# Altium PCB Carte_Mere - Copie.PcbDoc (part 2 of 4) (continued)
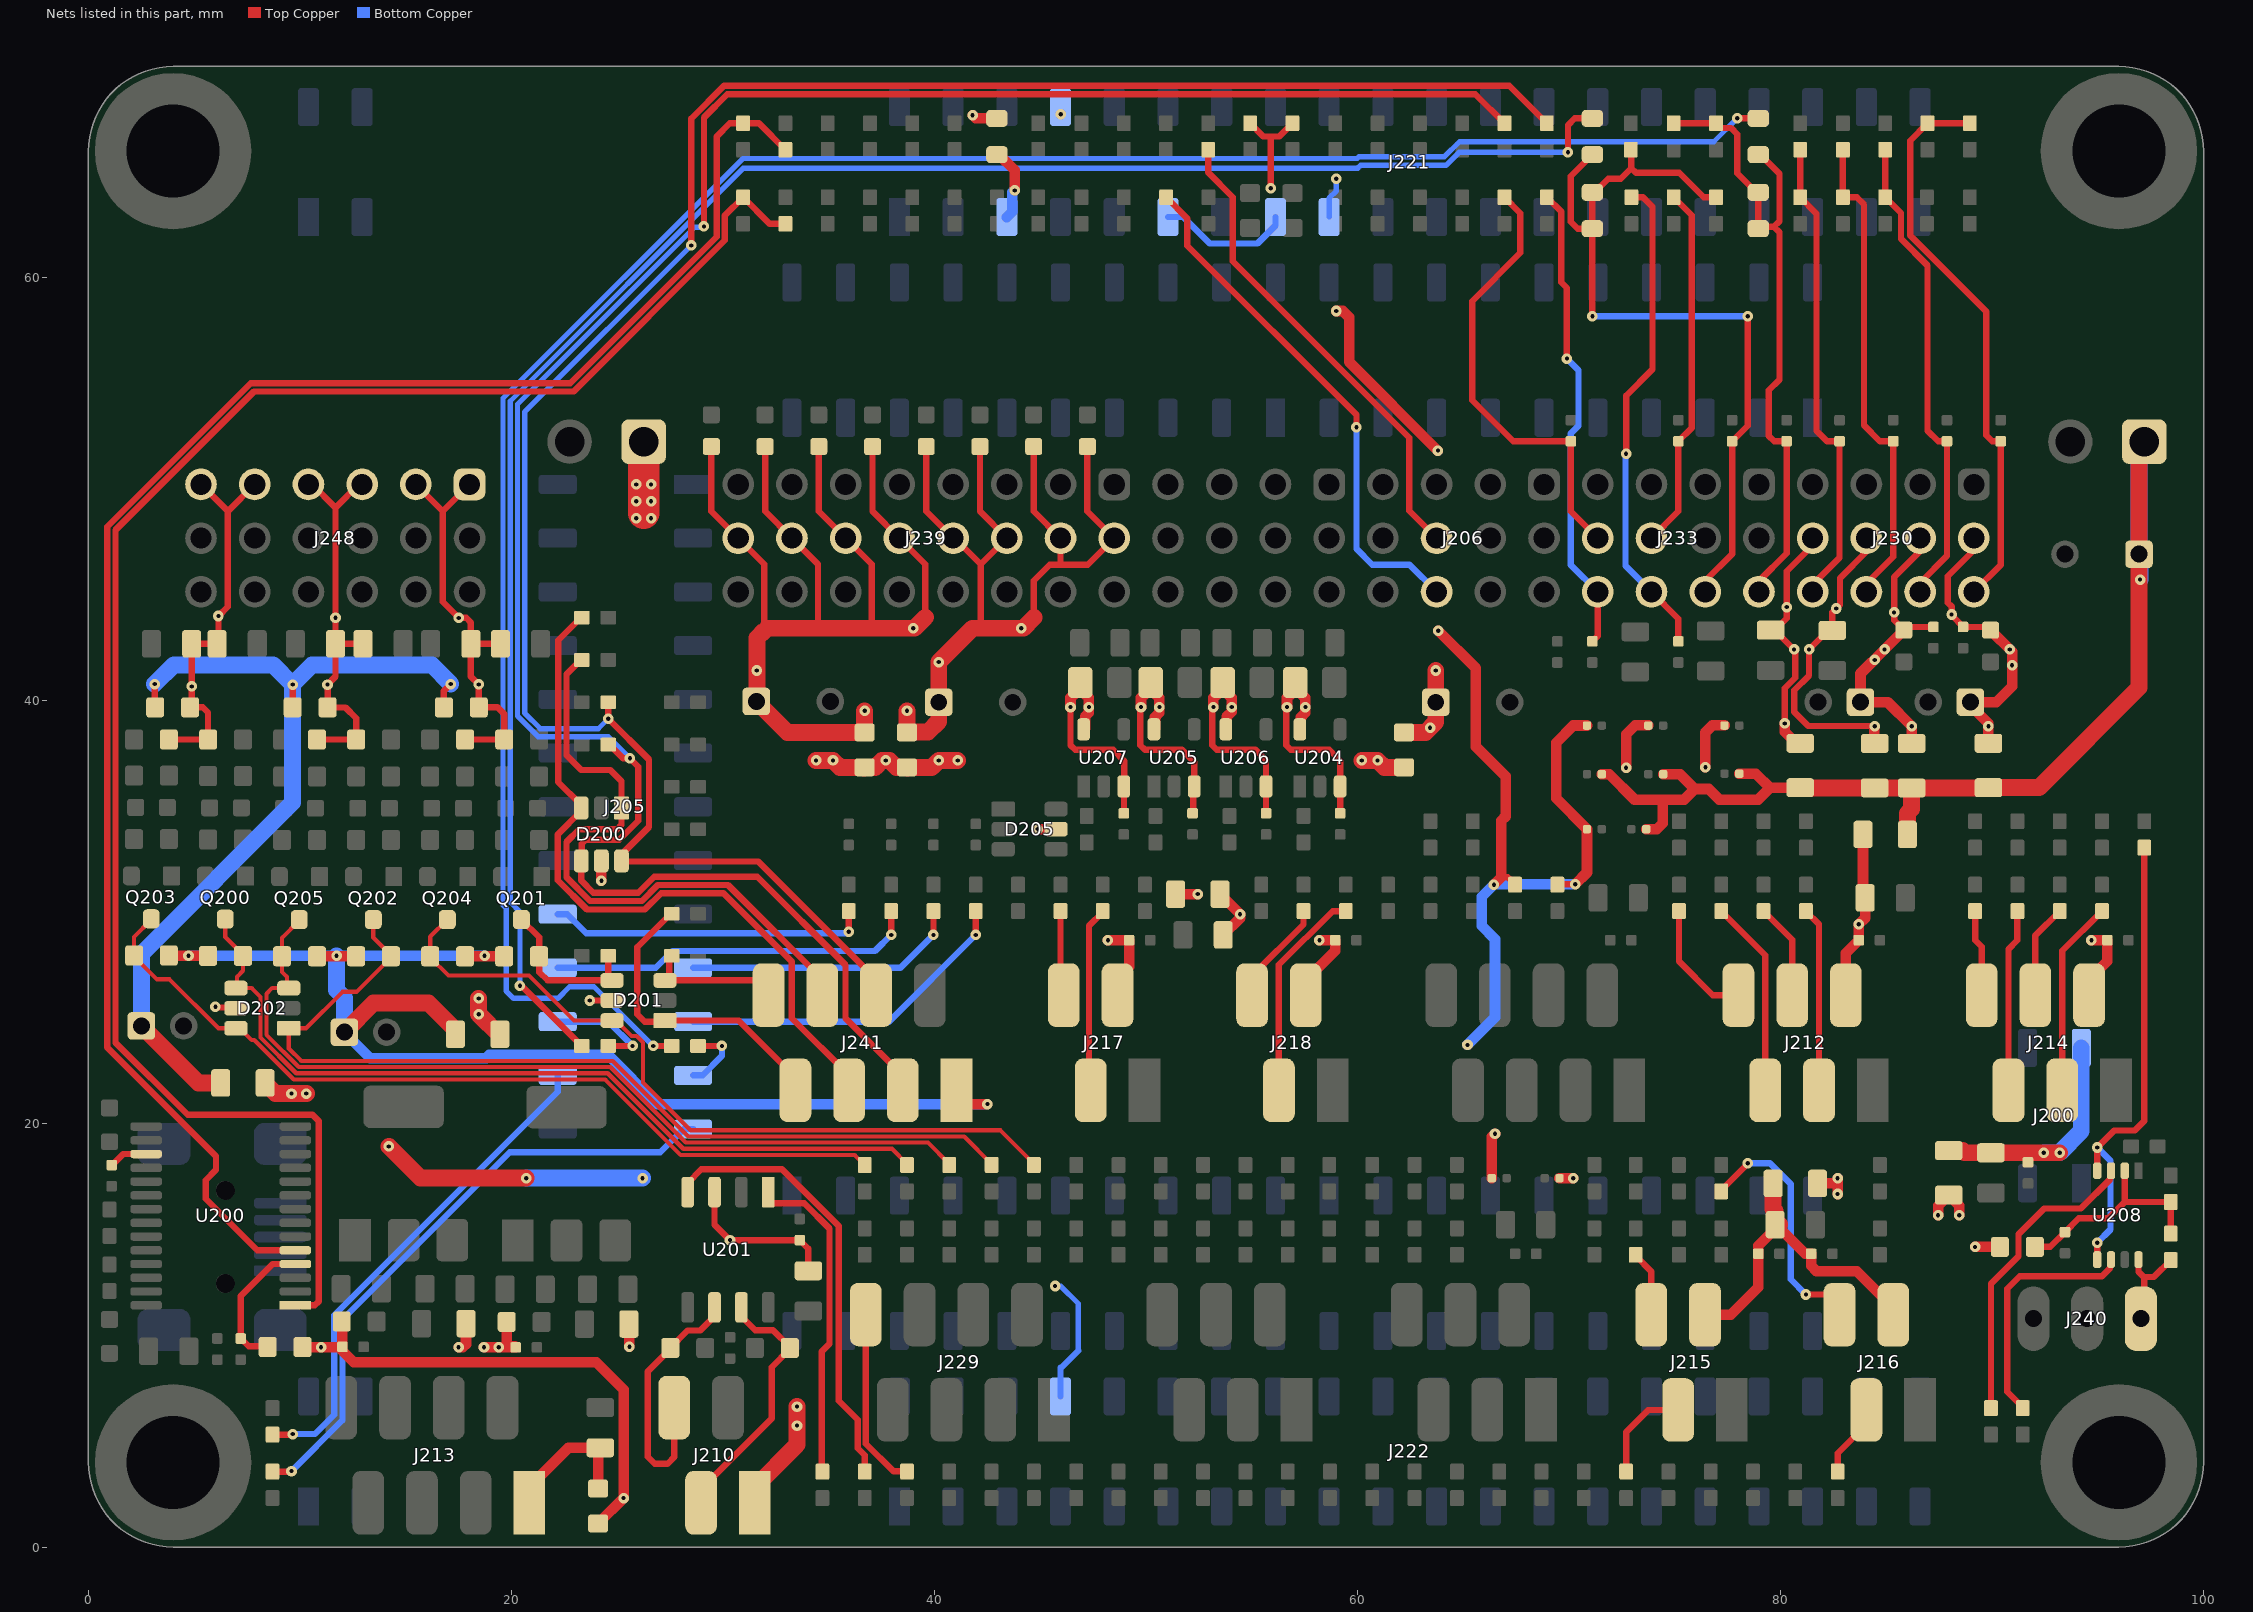
[diagram p4: the nets of this part, all layers, seen from the top]
## Part data (continued)
U204 U205 U206 U207: "IC CURRENT MONITOR 0.5% SOT23-5", Manufacturer="Texas Instruments", SUPPLIER PART NUMBER 1=3118123, ComponentLink1Description=Datasheet, ComponentLink1URL=http://www.ti.com/lit/ds/symlink/ina139.pdf, Manufacturer Part Number=INA139NA, SUPPLIER 1=Farnell
U208: "IC TXRX RS485/RS422 8-UMAX", Manufacturer="Maxim Integrated", SUPPLIER PART NUMBER 1=2511735, ComponentLink1Description=Datasheet, ComponentLink1URL=http://datasheets.maximintegrated.com/en/ds/MAX1487-MAX491.pdf, Manufacturer Part Number=MAX485CUA+, SUPPLIER 1=Farnell

## Via types
v1: diameter 0.5, hole 0.2, Top Copper to Bottom Copper, tented both sides, 747 vias
v2: diameter 0.5, hole 0.2, Top Copper to Bottom Copper, tented bottom, 11 vias
v3: diameter 0.5, hole 0.2, Top Copper to Bottom Copper, 1 vias

## Nets (pads, with @x,y where several pads share a name; then routed paths per layer and width w, separated by ;. In a path a pad name is that pad's centre, name@x,y a point inside that pad or via, vN(x,y) a via of type N, cw(c..) or ccw(c..) an arc to the next point about the centre after c; other vN are vias at no path point)
3L: C230.1 FB211.1 J250.2 J252.2 J255.2 R200.1 R201.2 R202.2 R208.2 R209.2 R211.1 R249.2 | length 79.3
  Top Copper w0.3: R202.2@54.925,67.315 55.55,66.69 55.9,66.69 ; v1(55.9,64.24) 55.9,66.69 ; R201.2@56.925,67.315 56.3,66.69 55.9,66.69 ; 66.8,31.665 67.099,31.665 67.224,31.54 67.275,31.54 67.45,31.365 R208.2@67.45,31.315 ; R209.2@69.45,31.315 69.475,31.34 v1(70.3,31.34)
  Top Copper w0.5: R200.1@10.12,9.461 10.141,9.44 v1(11,9.44) 11.986,9.44 C230.1@12.007,9.461 ; R249.2@11.975,10.661 12.007,10.629 C230.1@12.007,9.461 ; R211.1@24.1,1.115 v1(25.3,2.315) 25.3,7.44 24,8.74 12.538,8.74 12.007,9.271 C230.1@12.007,9.461 ; v1(59,58.44) 59.3,58.44 59.6,58.14 59.6,56.04 v1(63.8,51.84) ; v1(63.814,43.326) 65.6,41.54 65.6,37.84 67,36.44 67,34.54 66.8,34.34 66.8,31.665 v1(66.45,31.315) ; J252.2@66.35,17.44 66.35,19.39 v3(66.5,19.54) ; v1(70.3,31.34) 70.85,31.89 J255.2@70.85,33.94 70.85,33.944 69.4,35.394 69.4,38.034 70.206,38.84 J250.2@70.85,38.84
  Top Copper w0.8: v1(18.45,25.94) v1(18.45,25.19) FB211.1@19.45,24.19
  Bottom Copper w0.5: v1(65.2,23.74) 66.5,25.04 66.5,28.74 65.873,29.367 65.873,30.738 v1(66.45,31.315) 66.475,31.34 v1(70.3,31.34)
3L_ADC: C227.1 D200.5 D201.5 D202.5 D205.5 J228.1 J232.1 R248.2 | length 12.5
  Top Copper w0.3: v1(6,25.54) 6.032,25.507 6.938,25.507 D202.5@6.971,25.475 ; v1(23.705,25.84) D201.5@24.755,25.84
  Top Copper w0.5: v1(18.7,9.44) v1(19.4,9.44) C227.1@20.2,9.44 20.16,9.48 19.775,9.48 R248.2@19.775,10.64 ; v1(24.25,31.497) D200.5@24.25,32.44 ; v1(44.877,33.942) D205.5@45.75,33.94 D205.5@45.75,33.94 ; v1(72.7,36.845) 72.7,38.423 73.138,38.861 J232.1@73.75,38.861 ; v1(76.45,36.87) 76.45,38.511 76.783,38.844 J228.1@77.352,38.844
3L_CAP: C276.1 FB211.2 J241.1 R268.2 R271.2 R272.2 R280.2 R283.2 R284.2 | length 63.6
  Top Copper w0.5: R280.2@3.825,27.95 v1(4.73,27.95) R268.2@5.655,27.95 ; R284.2@10.805,27.93 R272.2@12.655,27.93 ; R283.2@17.805,27.93 R271.2@19.655,27.93 ; J241.1@41.045,21.59 41.045,21.395 41.5,20.94 v1(42.5,20.94)
  Top Copper w0.8: C276.1@12.1,24.34 13.48,25.72 16.07,25.72 17.35,24.44 FB211.2@17.35,24.24
  Bottom Copper w0.5: v1(4.73,27.95) v1(11.73,27.95) v1(18.73,27.95) ; C276.1@12.1,24.34 13.33,23.11 18.8,23.11 18.955,23.265 24.575,23.265 26.9,20.94 v1(42.5,20.94)
  Bottom Copper w0.8: v1(11.73,27.95) 11.73,26.33 12.1,25.96 C276.1@12.1,24.34
3L_FT232: C204.1 R200.2 U200.4 | length 6.7
  Top Copper w0.3: R200.2@8.47,9.484 7.57,9.484 C204.1@7.195,9.859 7.195,11.869 8.706,13.38 U200.4@9.78,13.38
3L_MOT: C217.1 J213.1 R211.2 | length 6.8
  Top Copper w0.3: C217.1@24.1,4.59 C217.1@24.2,4.69
  Top Copper w0.5: J213.1@20.845,2.09 20.845,2.84 22.695,4.69 24.1,4.69 24.1,4.59 R211.2@24.1,2.765
3V3_FT232: C206.1 U200.17 | length 1.9
  Top Copper w0.3: C206.1@1.095,18.059 1.12,18.059 1.641,18.58 U200.17@2.73,18.58
5L: C209.1 C210.1 C224.1 FB200.1 FB201.1 FB202.1 FB203.1 FB204.1 FB205.1 FB206.1 FB207.1 FB208.1 FB209.1 FB210.1 J210.1 J223.2 J225.1 J227.2 J231.2 J249.1 J251.1 J254.1 R250.1 U201.3 | length 92.3
  Top Copper w0.3: U201.3@29.6,16.78 29.6,15.24 v1(30.33,14.51) C210.1@33.635,14.51 34.035,14.11 C209.1@34.035,13.06
  Top Copper w0.5: v1(17.5,9.44) 17.7,9.44 17.85,9.59 FB205.1@17.85,10.561 ; FB204.1@25.55,10.54 25.575,10.515 v1(25.575,9.465) ; v1(41.8,67.69) 41.943,67.547 J223.2@42.95,67.547 ; FB203.1@51.4,30.869 v1(52.45,30.869) ; J251.1@69.55,17.44 v1(70.2,17.44) ; J249.1@71.55,36.54 71.895,36.54 73.095,35.34 74.425,35.34 ; J254.1@73.65,33.94 74.152,33.94 74.425,34.213 74.425,35.34 ; J231.2@74.45,36.54 75.25,36.54 75.95,35.84 ; J227.2@78.052,36.564 78.836,36.564 79.5,35.9 ; FB209.1@80.93,35.9 79.5,35.9 ; FB202.1@81.75,17.19 82.45,17.19 ; v1(82.7,16.69) v1(82.7,17.44) ; v1(87.45,15.69) 87.45,16.14 FB200.1@87.95,16.64 88.45,16.14 v1(88.45,15.69) ; v1(89.2,14.19) R250.1@90.375,14.19 ; 74.425,35.34 75.45,35.34 75.95,35.84 ; 75.95,35.84 76.609,35.84 77.109,35.34 78.94,35.34 79.5,35.9
  Top Copper w0.8: FB210.1@8.35,21.94 8.85,21.44 v1(9.6,21.44) v1(10.3,21.44) ; v1(14.2,18.94) 15.7,17.44 v1(20.7,17.44) ; J210.1@31.505,2.09 31.505,2.84 33.5,4.835 v1(33.5,5.74) v1(33.5,6.64) ; FB209.1@80.93,35.9 80.935,35.895 84.445,35.895 FB208.1@84.45,35.89 FB207.1@86.15,35.89 ; FB201.1@86,33.69 86,34.69 86.2,34.89 86.2,35.84 FB207.1@86.15,35.89 ; J225.1@97.2,52.26 96.95,52.01 C224.1@96.95,46.94 96.95,40.632 92.218,35.9 FB206.1@89.83,35.9 89.825,35.895 86.205,35.895 FB207.1@86.2,35.89 FB207.1@86.15,35.89
  Bottom Copper w0.8: v1(20.7,17.44) v1(26.2,17.44) ; J225.1@96.95,52.01 C224.1@96.95,46.94 97,46.89 v1(97,45.74)
5L_CAP: C275.1 FB210.2 R251.1 R266.1 R267.1 | length 42.9
  Top Copper w0.3: R267.1@3.13,39.725 v1(3.13,40.8) ; R266.1@9.655,39.7 v1(9.655,40.775) ; R251.1@16.805,39.7 16.805,40.475 v1(17.13,40.8)
  Top Copper w0.8: C275.1@2.5,24.64 5.2,21.94 FB210.2@6.25,21.94
  Bottom Copper w0.8: C275.1@2.5,24.64 2.5,28.04 9.655,35.195 v1(9.655,40.775) ; v1(3.13,40.8) 4.041,41.711 8.719,41.711 v1(9.655,40.775) ; v1(17.13,40.8) 16.237,41.693 10.573,41.693 v1(9.655,40.775)
5L_DE0: C200.1 C201.1 FB200.2 J200.2 | length 11.4
  Top Copper w0.8: FB200.2@87.95,18.74 88.6,18.74 88.7,18.64 C200.1@89.95,18.64 v1(93.2,18.64)
  Bottom Copper w0.8: v1(92.45,18.64) v1(93.2,18.64) 94.22,19.66 J200.2@94.22,23.6
5L_DYNA: C267.1 R250.2 R262.2 R263.2 U208.2 | length 10.3
  Top Copper w0.3: R250.2@92.025,14.19 92.75,14.19 C267.1@93.45,14.89 94.1,15.54 95.5,15.54 96.275,16.315 ; U208.2@96.275,17.79 96.275,16.315 ; R263.2@98.45,14.815 R262.2@98.45,16.315 96.275,16.315
5L_ENC_PROP: C218.1 C219.1 C220.1 FB202.2 J215.2 J216.2 | length 16.2
  Top Copper w0.5: J215.2@76.43,10.98 77.64,10.98 78.95,12.29 C220.1@78.95,13.865 78.95,14.24 C218.1@79.75,15.04 ; C218.1@79.875,15.165 81.175,13.865 C219.1@81.45,13.865 81.45,13.29 81.7,13.04 83.6,13.04 85.33,11.31 J216.2@85.33,10.98
  Top Copper w0.8: FB202.2@79.65,17.19 79.65,15.99 79.75,15.89 C218.1@79.75,15.24 79.95,15.24 79.875,15.165 C218.1@79.825,15.165
5L_EXT_1: C244.1 C249.1 C250.1 FB206.2 J230.2 | length 14
  Top Copper w0.3: C244.1@88.98,39.79 C244.1@88.98,39.95 C244.1@88.99,39.94 ; J230.2@89.14,47.7 89.14,47.13 87.91,45.9 87.91,44.651 88.09,44.471 v1(88.09,44.09) 88.09,44.05 88.64,43.5 89.78,43.5 C249.1@89.93,43.35
  Top Copper w0.5: C244.1@88.98,39.79 89.83,38.94 v1(89.83,38.81) FB206.2@89.83,38 ; C244.1@88.99,39.94 90.2,39.94 90.95,40.69 v1(90.95,41.69) 90.95,42.33 C249.1@89.93,43.35
  other v1: 90.84,42.44
5L_EXT_2: C243.1 C245.1 C246.1 FB207.2 J230.5 | length 14.6
  Top Copper w0.3: J230.5@86.7,47.7 J230.5@86.6,47.7 86.6,47.09 85.37,45.86 v1(85.37,44.19) 85.37,43.81 C246.1@85.83,43.35 85.98,43.5 C245.1@87.23,43.5
  Top Copper w0.5: C246.1@85.83,43.35 v1(84.92,42.44) 83.78,41.3 C243.1@83.78,39.95 85.06,39.95 v1(86.2,38.81) FB207.2@86.2,37.99
  other v1: 84.45,41.94
5L_EXT_3: C248.1 FB208.2 J230.8 | length 14.6
  Top Copper w0.3: J230.8@84.06,47.7 84.06,47.05 82.815,45.805 82.815,44.555 v1(82.633,44.373) 82.45,44.19 C248.1@82.45,43.34 82.25,43.34 v1(81.35,42.44) 81.35,41.203 80.65,40.503 80.65,39.482 81.312,38.82 84.44,38.82 v1@84.44,38.69
  Top Copper w0.5: v1@84.44,38.69 FB208.2@84.45,37.99
  other v1: 84.45,38.81
5L_EXT_4: C247.1 FB209.2 J230.11 | length 11.7
  Top Copper w0.3: C247.1@79.53,43.35 C247.1@79.73,43.35 ; v1(80.2,38.94) 80.2,40.604 80.7,41.104 80.7,42.38 C247.1@79.73,43.35 ; J230.11@81.52,47.7 81.52,47.36 80.29,46.13 v1(80.29,44.44) 80.29,43.91 C247.1@79.73,43.35
  Top Copper w0.5: v1(80.2,38.94) 80.2,38.544 80.744,38 FB209.2@80.93,38
  other v1: 80.64,42.44
5L_QEI_MOT: C221.1 C222.1 C223.1 FB203.2 J217.2 J218.2 | length 10.4
  Top Copper w0.5: v1(48.2,28.69) C223.1@49.2,28.69 49.2,27.44 48.654,26.894 J217.2@48.654,26.09 ; FB203.2@53.5,30.869 v1(54.45,29.919) 54.45,29.74 C221.1@53.65,28.94 ; J218.2@57.535,26.109 57.535,26.775 58.95,28.19 C222.1@58.95,28.69 v1(58.2,28.69)
5L_QEI_PROP: C214.1 C215.1 C216.1 FB201.2 J212.2 J214.2 | length 11.7
  Top Copper w0.5: J212.2@83.089,26.09 83.089,28.079 C216.1@83.7,28.69 v1(83.7,29.44) 84,29.74 C214.1@84,30.69 83.9,30.79 FB201.2@83.9,33.69 ; J214.2@94.589,26.09 94.589,26.829 95.45,27.69 C215.1@95.45,28.69 v1(94.7,28.69)
5P: J226.1 R253.1 R261.1 R264.1 | length 12.8
  Top Copper w0.8: v1(34.4,37.19) v1(35.2,37.19) 35.525,36.865 37.2,36.865 37.525,37.19 37.875,37.19 38.2,36.865 R261.1@38.7,36.865 R261.1@38.725,36.84 ; R264.1@36.675,36.84 R264.1@36.7,36.865 ; R261.1@38.7,36.86 39.87,36.86 v1(40.2,37.19) v1(41.1,37.19) ; v1(60.2,37.19) v1(60.95,37.19) 61.275,36.865 R253.1@62.2,36.865
  Top Copper w1.5: 26.25,48.89 J226.1@26.25,52.26
  other v1: 37.7,37.19 25.9,48.64 25.9,49.44 26.6,49.44 25.9,50.24 26.6,50.24
  other v2: 26.6,48.64
5P_SERVO_A: C255.1 C256.1 C258.1 C262.1 C263.1 R252.1 R253.2 R254.1 R257.1 R258.1 U204.3 U204.5 U205.3 U205.5 U206.3 U206.5 U207.3 U207.5 | length 45.1
  Top Copper w0.3: v1(46.432,39.713) 46.432,37.908 46.65,37.69 48.45,37.69 48.976,37.164 48.976,35.96 48.963,35.947 48.963,34.703 C263.1@48.95,34.69 ; v1@49.732,39.713 49.732,37.908 49.95,37.69 51.7,37.69 52.276,37.114 U205.3@52.276,35.96 ; C256.1@52.2,34.69 52.238,34.728 52.238,35.872 U205.3@52.276,35.91 ; v1@53.132,39.713 53.132,37.908 53.35,37.69 55.176,37.69 55.676,37.19 U206.3@55.676,35.96 ; C262.1@55.676,34.69 55.676,35.91 U206.3@55.688,35.922 ; v1@56.632,39.713 56.632,37.908 56.85,37.69 58.657,37.69 59.176,37.171 U204.3@59.176,35.96 ; C255.1@59.176,34.69 U204.3@59.176,35.91
  Top Copper w0.5: v1(46.432,39.713) 46.432,40.147 46.867,40.54 47.302,40.147 v1(47.302,39.713) 47.302,39.442 47.126,39.266 U207.5@47.126,38.71 ; v1(49.765,39.713) 49.765,40.147 50.2,40.54 50.635,40.147 v1(50.635,39.713) 50.635,39.444 50.426,39.235 U205.5@50.426,38.71 ; v1(53.188,39.713) 53.188,40.147 53.623,40.54 54.058,40.147 v1(54.058,39.713) 54.058,39.498 53.826,39.266 U206.5@53.826,38.71 ; v1(56.665,39.713) 56.665,40.147 57.1,40.54 57.535,40.147 v1(57.535,39.713) 57.535,39.444 57.326,39.235 U204.5@57.326,38.71
  Top Copper w0.8: R253.2@62.2,38.515 63.206,38.515 63.7,39.009 C258.1@63.7,39.94 v1(63.7,41.44)
  other v1: 63.431,38.74
5P_SERVO_B: C264.1 C265.1 C266.1 C268.1 C269.1 J239.2 J239.5 J239.8 J239.11 R261.2 | length 44.6
  Top Copper w0.3: C269.1@39.61,52.03 39.61,48.97 J239.11@40.88,47.7 40.96,47.7 42.19,46.47 ; C268.1@42.15,52.03 42.15,48.97 J239.8@43.42,47.7 42.19,46.47 ; 42.19,43.44 42.19,46.47 ; C266.1@44.69,52.03 44.69,48.97 J239.5@45.96,47.7 45.96,46.45 ; 44.7,43.94 44.7,45.69 45.45,46.44 47.24,46.44 J239.2@48.5,47.7 47.23,48.97 C264.1@47.23,52.03
  Top Copper w0.8: v1(38.7,39.54) R261.2@38.7,38.515 38.725,38.54 39.7,38.54 40.2,39.04 C265.1@40.2,39.94 v1(40.2,41.84) 41.8,43.44 42.19,43.44 v1(44.1,43.44) 44.2,43.44 44.7,43.94
5P_SERVO_C: C270.1 C271.1 C272.1 C273.1 C274.1 J239.14 J239.17 J239.20 J239.23 R264.2 | length 56.1
  Top Copper w0.3: C274.1@29.45,52.03 29.45,48.97 J239.23@30.72,47.7 31.95,46.47 31.95,43.321 ; C273.1@31.99,52.03 31.99,48.97 J239.20@33.26,47.7 34.49,46.47 34.49,43.44 ; C272.1@34.53,52.03 34.53,48.97 J239.17@35.8,47.7 37.03,46.47 37.03,43.44 ; C270.1@37.07,52.03 37.07,48.97 J239.14@38.34,47.7 39.57,46.47 39.57,43.96
  Top Copper w0.8: 31.95,43.321 31.6,42.971 v1(31.6,41.44) 31.6,40.004 C271.1@31.576,39.98 33.041,38.515 R264.2@36.7,38.515 v1(36.7,39.54) ; 32.069,43.44 34.49,43.44 37.03,43.44 39.05,43.44 39.57,43.96
  other v1: 39,43.44
+3V3: J221.11 J221.15 | length 6.3
  Bottom Copper w0.3: J221.11@51.04,62.88 51.76,62.88 53.01,61.63 55.27,61.63 56.12,62.48 J221.15@56.12,62.88
+5V: J221.17 | length 2
  Bottom Copper w0.25: J221.17@58.66,62.88 58.66,63.78 59,64.12 v2(59,64.69)
ADC_IN_1: J234.1 R351.1 | length 102.3
  Top Copper w0.3: v1(26.7,23.69) R351.1@27.575,23.69 ; v1(77.95,67.547) J234.1@78.95,67.547
  Bottom Copper w0.25: v1(26.7,23.69) 23.9,26.49 22.75,26.49 22.2,25.94 20.1,25.94 19.747,26.293 19.747,30.199 19.601,30.345 19.601,54.313 30.942,65.653 59.987,65.653 60.072,65.738 64.114,65.738 64.818,66.442 76.845,66.442 v1(77.95,67.547)
ADC_IN_2: J236.1 R352.2 | length 89.4
  Top Copper w0.3: v1(20.4,26.54) 20.475,26.54 R352.2@23.325,23.69 ; v1(69.95,65.94) 69.95,67.222 70.276,67.547 J236.1@71.106,67.547
  Bottom Copper w0.25: v1(20.4,26.54) 20.4,30.027 19.941,30.486 19.941,54.172 30.961,65.192 60.007,65.192 60.138,65.323 64.18,65.323 64.797,65.94 v1(69.95,65.94)
ANALOG_IN0: J205.24 R317.1 | length 23.7
  Top Copper w0.3: R317.1@8.7,5.315 9.63,5.315 v1(9.655,5.34)
  Bottom Copper w0.3: v1(9.655,5.34) 10.7,5.34 11.617,6.257 11.617,10.957 22.186,21.526 J205.24@22.186,22.3
ANALOG_IN1: J205.25 R316.2 | length 29.4
  Top Copper w0.3: R316.2@8.7,3.565 9.575,3.565 v1(9.6,3.59)
  Bottom Copper w0.3: v1(9.6,3.59) 12.007,5.997 12.007,10.747 19.925,18.665 27.041,18.665 28.136,19.76 J205.25@28.586,19.76
ANALOG_IN2: J205.22 R352.1 | length 5.2
  Top Copper w0.3: R352.1@24.525,23.69 R352.1@24.575,23.69 v1(25.725,23.69)
  Bottom Copper w0.3: J205.22@22.186,24.84 24.575,24.84 v1(25.725,23.69)
ANALOG_IN3: J205.21 R392.2 | length 16.2
  Top Copper w0.3: v1(41.95,28.94) R392.2@41.95,30.065
  Bottom Copper w0.3: J205.21@28.586,24.84 37.85,24.84 v1(41.95,28.94)
ANALOG_IN4: J205.23 R351.2 | length 3.3
  Top Copper w0.3: R351.2@28.825,23.69 v1(29.95,23.69)
  Bottom Copper w0.3: J205.23@28.586,22.3 29.036,22.3 29.95,23.214 v1(29.95,23.69)
ANALOG_IN5: J205.18 R394.1 | length 15.1
  Top Copper w0.3: v1(35.95,29.087) R394.1@35.95,30.065
  Bottom Copper w0.3: J205.18@22.186,29.92 22.636,29.92 23.543,29.013 35.822,29.013 35.896,29.087 v1(35.95,29.087)
ANALOG_IN6: J205.19 R391.2 | length 13.1
  Top Copper w0.3: v1(39.95,28.94) R391.2@39.95,30.065
  Bottom Copper w0.3: J205.19@28.586,27.38 38.39,27.38 v1(39.95,28.94)
ANALOG_IN7: J205.20 R395.1 | length 17.5
  Top Copper w0.3: v1(37.95,28.94) R395.1@37.95,30.065
  Bottom Copper w0.3: J205.20@22.186,27.38 26.82,27.38 27.62,28.18 37.19,28.18 v1(37.95,28.94)
AU_STATUS: J229.8 R293.2 | length 8.6
  Top Copper w0.3: J229.8@36.755,10.99 36.755,4.885 38.063,3.577 38.7,3.577 R293.2@38.7,3.565
AVDD: J222.8 | length 6.2
  Bottom Copper w0.25: v1(45.7,12.34) 45.964,12.34 46.8,11.504 46.8,9.284
  Bottom Copper w0.3: J222.8@45.96,7.12 45.96,8.48 45.996,8.48 46.8,9.284
BOOT0: J221.8
  other v2: 45.965,67.74
CAN_Rx: R302.1 U201.4 | length 21.1
  Top Copper w0.3: U201.4@28.33,16.78 28.33,17.205 28.98,17.855 32.793,17.855 35.473,15.175 35.473,6.917 36.365,6.025 36.365,4.675 36.7,4.34 R302.1@36.7,3.565
CAN_Tx: R301.1 U201.1 | length 15.5
  Top Copper w0.3: U201.1@32.14,16.78 32.14,16.4 32.29,16.25 33.846,16.25 35.035,15.061 35.035,9.607 34.673,9.245 34.673,3.592 R301.1@34.7,3.565
CANH: J210.3 R207.2 U201.7 | length 12.5
  Top Copper w0.3: J210.3@28.965,1.99 J210.3@28.965,2.09 28.965,2.74 32.3,6.075 32.3,8.5 33.16,9.36 R207.2@33.16,9.41 33.16,9.46 32.365,10.255 31.52,10.255 30.87,10.905 U201.7@30.87,11.33
CANL: J210.4 R210.1 U201.6 | length 12.6
  Top Copper w0.3: J210.4@27.695,6.59 27.695,4.255 27.38,3.94 26.77,3.94 26.45,4.26 26.45,8.3 27.51,9.36 R210.1@27.51,9.41 28.34,10.24 28.935,10.24 29.6,10.905 U201.6@29.6,11.33
CAP_#A: C279.2 C285.2 J248.1 J248.4 R251.2 R274.2 R286.2 | length 19.5
  Top Copper w0.3: J248.4@15.66,50.24 15.66,50.06 16.75,48.97 ; R286.2@17.805,38.18 R274.2@19.655,38.18 19.655,39.385 19.34,39.7 R251.2@18.455,39.7 v1(18.455,40.785) 18.08,41.16 C285.2@18.08,42.7 ; J248.1@18.02,50.24 16.75,48.97 ; C279.2@19.48,42.7 C285.2@18.08,42.7 ; 16.75,48.97 16.75,44.691 v1(17.511,43.93) 17.864,43.93 18.08,43.714 C285.2@18.08,42.7
CAP_#B: C280.2 C286.2 J248.7 J248.10 R266.2 R275.2 R287.2 | length 18.2
  Top Copper w0.3: J248.10@10.58,50.24 11.68,49.14 ; R287.2@10.805,38.18 R275.2@12.655,38.18 12.655,39.19 12.155,39.69 11.361,39.69 11.338,39.713 11.315,39.69 R266.2@11.305,39.7 v1@11.305,40.775 ; v1(11.3,40.775) 11.68,41.155 C286.2@11.68,42.7 ; C280.2@12.78,42.7 C286.2@11.68,42.7 ; J248.7@12.78,50.24 11.68,49.14 ; C286.2@11.68,42.7 11.68,49.14
  other v1: 11.68,43.94
CAP_#C: C277.2 C283.2 J248.13 J248.16 R267.2 R269.2 R281.2 | length 18.4
  Top Copper w0.3: R281.2@3.805,38.18 R269.2@5.655,38.18 5.655,39.44 5.395,39.7 R267.2@4.88,39.7 ; R267.2@4.805,39.7 R267.2@4.88,39.7 ; J248.16@5.402,50.24 J248.16@5.32,50.24 6.577,48.983 6.577,48.957 ; J248.13@7.86,50.24 6.577,48.957 ; R267.2@4.88,39.7 v1(4.88,40.69) C283.2@4.88,42.7 C277.2@6.08,42.7 6.146,42.766 v1(6.146,44.019) 6.577,44.45 6.577,48.957
CaptTOR_1: D200.4 J241.3 R372.2 R398.2 | length 108.3
  Top Copper w0.3: R398.2@24.575,37.94 24.625,37.94 25.276,37.289 v1(25.6,37.289) 26,36.889 26,34.34 25.1,33.44 23.5,33.44 23.317,33.257 23.317,32.457 D200.4@23.3,32.44 23.3,31.512 23.872,30.94 26,30.94 26.75,31.69 31.62,31.69 35.795,27.515 35.795,25.005 38.505,22.295 J241.3@38.505,21.59 ; v1(29.1,62.44) 29.1,67.585 30.208,68.694 65.571,68.694 R372.2@66.95,67.315
  Bottom Copper w0.25: v1(25.6,37.289) 24.574,38.315 21.259,38.315 20.281,39.293 20.281,54.031 28.642,62.392 29.052,62.392 v1(29.1,62.44)
CaptTOR_2: D200.6 J241.4 R373.2 R396.1 | length 101.6
  Top Copper w0.3: R396.1@24.575,39.94 v1(24.575,39.161) 26.5,37.236 26.5,34.04 25.2,32.74 D200.6@25.2,32.44 ; D200.6@25.15,32.44 25.177,32.413 31.662,32.413 37.235,26.84 J241.4@37.235,26.09 ; v1(28.5,61.54) 28.5,67.537 30.047,69.084 67.181,69.084 R373.2@68.95,67.315
  Bottom Copper w0.25: v1(24.575,39.161) 24.102,38.688 21.367,38.688 20.621,39.434 20.621,53.661 v1(28.5,61.54)
CaptTOR_3: D200.3 J241.5 R399.2 | length 34.1
  Top Copper w0.3: D200.3@23.25,35.126 22.21,36.166 22.21,42.875 23.275,43.94 R399.2@23.325,43.94 ; D200.3@23.3,34.94 23.3,34.804 22.183,33.686 22.183,31.526 23.568,30.14 26.303,30.14 27.073,30.91 30.025,30.91 33.255,27.68 33.255,25.005 35.965,22.295 J241.5@35.965,21.59
CaptTOR_4: D200.1 J241.6 R397.1 | length 30.4
  Top Copper w0.3: R397.1@23.325,41.94 23.275,41.94 22.6,41.265 22.6,37.44 23.3,36.74 24.673,36.74 25.2,36.213 D200.1@25.2,34.94 ; D200.1@25,34.74 D200.1@25.2,34.94 ; J241.6@34.695,26.09 34.695,26.84 30.235,31.3 26.912,31.3 26.152,30.54 23.72,30.54 22.6,31.66 22.6,33.33 23.21,33.94 25,33.94 25.2,34.14 D200.1@25.2,34.94
CaptTOR_5: D201.1 J241.7 R389.1 | length 14.8
  Top Copper w0.3: R389.1@27.575,29.94 27.525,29.94 25.95,28.365 25.95,25.19 26.3,24.84 27.579,24.84 27.598,24.859 27.598,24.89 30.75,24.89 33.425,22.215 J241.7@33.425,21.59
CaptTOR_6: D201.3 J241.8 R390.1 | length 6.5
  Top Copper w0.3: D201.3@27.255,26.79 31.572,26.79 32.155,26.207 J241.8@32.155,26.09 ; D201.3@27.265,26.79 27.463,26.988 27.463,27.838 R390.1@27.575,27.95
CaptTOR_7: D201.4 Q201.3 R271.1 R393.2 | length 7.7
  Top Copper w0.3: Q201.3@20.467,29.664 21.305,28.826 R271.1@21.305,27.93 21.316,27.919 21.316,27.181 21.706,26.79 D201.4@24.755,26.79 24.575,26.97 R393.2@24.575,27.95
CaptTOR_8: D201.6 Q204.3 R283.1 R313.2 | length 35.9
  Top Copper w0.2: Q204.3@16.967,29.664 16.155,28.852 R283.1@16.155,27.93 16.155,27.88 17.018,27.017 20.823,27.017 22.95,24.89 24.996,24.89 24.996,24.849 25.678,24.167 25.923,24.167 26.223,23.867 26.223,21.956 28.479,19.7 43.115,19.7 44.7,18.115 R313.2@44.7,18.065
CaptTOR_9: D202.1 Q202.3 R272.1 R314.2 | length 44.8
  Top Copper w0.2: Q202.3@13.467,29.664 13.467,28.818 14.305,27.981 R272.1@14.305,27.93 14.305,27.88 12.673,26.248 12.008,26.248 10.285,24.525 D202.1@9.471,24.525 9.471,23.575 10.065,22.98 24.789,22.98 28.359,19.41 41.405,19.41 42.7,18.115 R314.2@42.7,18.065
CaptTOR_10: D202.3 Q205.3 R284.1 R311.1 | length 41.7
  Top Copper w0.2: Q205.3@9.967,29.664 9.967,29.614 9.155,28.802 R284.1@9.155,27.93 9.155,27.185 9.382,26.958 9.382,26.513 D202.3@9.471,26.425 9.382,26.425 8.685,26.425 8.42,26.16 8.42,24.215 9.945,22.69 24.669,22.69 28.239,19.12 39.695,19.12 40.7,18.115 R311.1@40.7,18.065
CaptTOR_11: D202.4 Q200.3 R268.1 R312.1 | length 40.1
  Top Copper w0.2: Q200.3@6.467,29.684 6.467,28.838 7.305,28.001 R268.1@7.305,27.95 7.305,27.245 7.018,26.958 7.018,26.472 D202.4@6.971,26.425 7.715,26.425 8.13,26.01 8.13,24.095 9.825,22.4 24.549,22.4 28.119,18.83 37.985,18.83 38.7,18.115 R312.1@38.7,18.065
CaptTOR_12: D202.6 Q203.3 R280.1 R315.2 | length 40.7
  Top Copper w0.2: Q203.3@2.967,29.704 2.967,29.654 2.155,28.842 R280.1@2.155,27.97 2.155,27.92 3.235,26.84 3.827,26.84 6.142,24.525 7.166,24.525 7.715,23.976 7.839,23.976 9.705,22.11 24.429,22.11 27.999,18.54 36.225,18.54 R315.2@36.7,18.065
DATA_DYNA: J240.1 R263.1 U208.8 | length 4.6
  Top Copper w0.3: U208.8@96.925,13.59 96.925,13.015 97.175,12.765 ; J240.1@97.04,10.795 97.2,10.955 97.2,12.74 97.175,12.765 ; R263.1@98.45,13.565 97.65,12.765 97.175,12.765
DYNA_DIR: R306.1 U208.4 U208.5 | length 22.6
  Top Copper w0.3: U208.5@94.975,13.59 v1(94.975,14.39) ; U208.4@94.975,17.79 v1(94.975,18.89) 95.775,19.69 96.75,19.69 97.2,20.14 R306.1@97.2,33.065
  Bottom Copper w0.3: v1(94.975,14.39) 95.6,15.015 95.6,18.265 v1(94.975,18.89)
DYNA_RX: R305.1 U208.3 | length 14.6
  Top Copper w0.3: R305.1@89.95,6.565 89.95,12.445 91.25,13.745 91.25,14.79 92.463,16.003 94.201,16.003 95.575,17.377 95.575,17.74 U208.3@95.625,17.79
DYNA_TX: R304.2 U208.6 | length 11.6
  Top Copper w0.3: R304.2@91.45,6.565 91.45,6.615 90.718,7.347 90.718,12.209 91.308,12.799 95.197,12.799 95.575,13.177 95.575,13.54 U208.6@95.625,13.59
E5V: J221.5 J223.1 | length 3.6
  Top Copper w0.5: J223.1@42.95,65.833 43.052,65.833 43.8,65.084 v1(43.8,64.14)
  Bottom Copper w0.5: J221.5@43.42,62.88 43.67,63.13 43.67,64.06 43.75,64.14 v1(43.8,64.14)
ENC_M1_A: J217.4 R233.1 | length 4
  Top Copper w0.3: R233.1@45.96,30.065 45.96,26.244 J217.4@46.114,26.09
ENC_M1_B: J217.3 R235.1 | length 8.9
  Top Copper w0.3: J217.3@47.302,21.44 47.302,29.367 47.95,30.015 R235.1@47.95,30.065
ENC_M1_CLK1: J212.3 R216.1 | length 8.7
  Top Copper w0.3: R216.1@81.2,30.065 81.819,29.446 J212.3@81.819,21.59
ENC_M1_CLK2: J212.5 R217.1 | length 9.3
  Top Copper w0.3: R217.1@77.2,30.065 79.279,27.986 J212.5@79.279,21.59
ENC_M1_DAT1: J212.4 R218.1 | length 4.5
  Top Copper w0.3: R218.1@79.2,30.065 80.549,28.716 J212.4@80.549,26.09
ENC_M1_DAT2: J212.6 R219.1 | length 5.8
  Top Copper w0.3: R219.1@75.2,30.065 75.2,27.69 76.8,26.09 J212.6@78.009,26.09
ENC_M2_A: J218.4 R237.1 | length 5
  Top Copper w0.3: J218.4@55.014,26.09 55.014,27.004 57.45,29.44 R237.1@57.45,30.065
ENC_M2_B: J218.3 R239.1 | length 10.2
  Top Copper w0.3: J218.3@56.284,21.59 56.284,27.524 58.825,30.065 R239.1@59.45,30.065
ENC_M2_CLK1: J214.3 R224.1 | length 9.3
  Top Copper w0.3: J214.3@93.319,21.59 93.319,28.184 R224.1@95.2,30.065
ENC_M2_CLK2: J214.5 R225.1 | length 8.6
  Top Copper w0.3: J214.5@90.779,21.59 90.779,28.269 91.2,28.69 R225.1@91.2,30.065
ENC_M2_DAT1: J214.4 R226.1 | length 4.5
  Top Copper w0.3: J214.4@92.049,26.09 92.049,28.914 R226.1@93.2,30.065
ENC_M2_DAT2: J214.6 R227.1 | length 4.1
  Top Copper w0.3: R227.1@89.2,30.065 89.2,28.69 89.509,28.381 J214.6@89.509,26.09
ENC_P1_A: J215.4 R232.1 | length 3.1
  Top Copper w0.3: R232.1@73.15,13.815 73.15,13.765 73.89,13.025 J215.4@73.89,10.98
ENC_P1_B: J215.3 R234.1 | length 4.8
  Top Copper w0.3: R234.1@72.7,3.565 72.7,5.44 73.74,6.48 J215.3@75.16,6.48
ENC_P2_A: J216.4 R236.1 | length 12.1
  Top Copper w0.3: R236.1@77.2,16.815 77.2,16.865 78.45,18.115 v1(78.45,18.14) ; v1(81.2,11.94) 82.45,11.94 82.895,11.495 J216.4@82.895,11.085
  Bottom Copper w0.3: v1(78.45,18.14) 79.5,18.14 80.477,17.163 80.477,12.663 v1(81.2,11.94)
ENC_P2_B: J216.3 R238.1 | length 3.5
  Top Copper w0.3: R238.1@82.7,3.565 82.7,4.44 84.06,5.8 J216.3@84.06,6.48
EXT_IO_1: C231.1 J230.3 R357.2 R360.2 | length 27
  Top Copper w0.3: R360.2@88.95,67.315 R357.2@86.95,67.315 86.13,66.495 86.13,62.01 89.725,58.415 89.725,52.565 90.01,52.28 C231.1@90.41,52.28 90.41,46.43 J230.3@89.14,45.16
EXT_IO_2: C233.1 J230.6 R359.1 R361.2 | length 22.9
  Top Copper w0.3: R359.1@84.95,66.065 R361.2@84.95,63.815 85.7,63.065 85.7,61.84 86.95,60.59 86.95,52.78 87.45,52.28 C233.1@87.87,52.28 87.87,46.86 86.6,45.59 J230.6@86.6,45.16
EXT_IO_3: C235.1 J230.9 R356.2 R362.2 | length 23.2
  Top Copper w0.3: R356.2@82.95,66.065 R362.2@82.95,63.815 83.613,63.815 83.95,63.478 83.95,53.03 84.7,52.28 C235.1@85.33,52.28 85.33,46.82 84.06,45.55 J230.9@84.06,45.16
EXT_IO_4: C238.1 J230.12 R355.2 R366.1 | length 22.5
  Top Copper w0.3: R355.2@80.93,66.065 R366.1@80.93,63.815 81.7,63.045 81.7,52.78 82.2,52.28 C238.1@82.79,52.28 82.79,46.78 81.52,45.51 J230.12@81.52,45.16
EXT_IO_5: C232.1 J233.3 J234.2 J235.1 J235.2 R354.2 R363.2 | length 31.5
  Top Copper w0.3: R363.2@74.95,67.315 R354.2@76.95,67.315 76.95,67.265 77.125,67.09 77.662,67.09 77.95,66.802 77.95,64.946 78.848,64.047 J235.1@78.95,64.047 J235.2@78.95,62.513 ; J234.2@78.95,65.833 79.052,65.833 79.95,64.934 79.95,62.69 79.683,62.423 ; J233.3@78.98,45.16 78.98,45.67 80.29,46.98 C232.1@80.29,52.28 79.7,52.28 79.45,52.53 79.45,54.69 79.95,55.19 79.95,62.156 79.683,62.423 ; J235.2@79.04,62.423 79.683,62.423
EXT_IO_6: C234.1 J233.6 J236.2 J237.1 J237.2 R358.1 R367.1 | length 39.5
  Top Copper w0.3: v1(71.106,58.19) J237.2@71.106,62.333 ; J236.2@71.106,65.833 70.09,64.817 70.09,62.65 70.408,62.333 J237.2@71.106,62.333 ; R358.1@72.95,66.036 72.95,65.19 ; J233.6@76.44,45.16 76.44,45.68 77.71,46.95 C234.1@77.71,52.28 78.45,53.02 v1(78.45,58.19) ; R367.1@76.95,63.815 76.375,63.815 75.218,64.972 73.168,64.972 72.95,65.19 ; J237.2@71.106,62.333 J237.1@71.106,64.047 71.208,64.047 71.85,64.69 72.45,64.69 72.95,65.19
  Bottom Copper w0.3: v1(71.106,58.19) v1(78.45,58.19)
EXT_IO_7: C236.1 J233.8 R364.2 | length 17.3
  Top Copper w0.3: J233.8@73.9,47.7 75.17,48.97 C236.1@75.17,52.28 75.8,52.91 75.8,62.965 R364.2@74.95,63.815
EXT_IO_8: C237.1 J233.9 R368.1 | length 23.3
  Top Copper w0.3: v1(72.7,51.69) 72.7,54.44 73.95,55.69 73.95,63.362 73.497,63.815 R368.1@72.95,63.815 ; J233.9@73.9,45.16 75.17,43.89 C237.1@75.17,42.82
  Bottom Copper w0.3: v1(72.7,51.69) 72.67,51.66 72.67,46.39 J233.9@73.9,45.16
EXT_IO_9: C239.1 J233.11 R365.2 | length 21.4
  Top Copper w0.3: R365.2@66.95,63.815 67.7,63.065 67.7,61.19 65.418,58.908 65.418,54.222 67.36,52.28 C239.1@70.09,52.28 70.09,48.97 J233.11@71.36,47.7
EXT_IO_10: C240.1 J233.12 R369.1 | length 22.4
  Top Copper w0.3: R369.1@68.95,63.815 69.625,63.14 69.625,59.805 69.9,59.53 v1(69.9,56.19) ; C240.1@71.106,42.82 71.36,43.074 J233.12@71.36,45.16
  Bottom Copper w0.3: v1(69.9,56.19) 70.45,55.64 70.45,53.005 70.09,52.645 70.09,46.43 J233.12@71.36,45.16
FPGA_Rx: J206.9 R388.1 | length 25
  Top Copper w0.3: R388.1@50.95,63.815 51.95,62.815 51.95,61.529 59.95,53.529 v1(59.95,52.94)
  Bottom Copper w0.3: v1(59.95,52.94) 59.95,47.19 60.7,46.44 62.46,46.44 J206.9@63.74,45.16
FPGA_Tx: J206.8 R387.2 | length 22.8
  Top Copper w0.3: R387.2@52.938,66.065 52.938,64.984 54.1,63.822 54.1,60.79 62.45,52.44 62.45,48.99 J206.8@63.74,47.7
FT232_Rx: R400.1 R405.2 U200.5 | length 82.6
  Top Copper w0.3: U200.5@9.78,14.03 7.984,14.03 5.54,16.474 5.54,17.342 6.027,17.829 6.027,18.479 0.888,23.619 0.888,48.244 7.666,55.022 22.777,55.022 29.7,61.945 29.7,66.69 30.325,67.315 R405.2@30.95,67.315 31.7,67.315 R400.1@32.95,66.065
FT232_Tx: R402.2 R404.1 U200.1 | length 84.5
  Top Copper w0.3: U200.1@9.78,11.43 10.7,11.43 10.88,11.61 10.88,20.143 10.593,20.43 4.687,20.43 1.278,23.84 1.278,48.082 7.827,54.632 22.938,54.632 30.09,61.783 30.09,62.955 R404.1@30.95,63.815 32.2,62.565 R402.2@32.95,62.565